# Altium PCB OSP_Carrier_V8.PcbDoc (part 1 of 3) (continued)
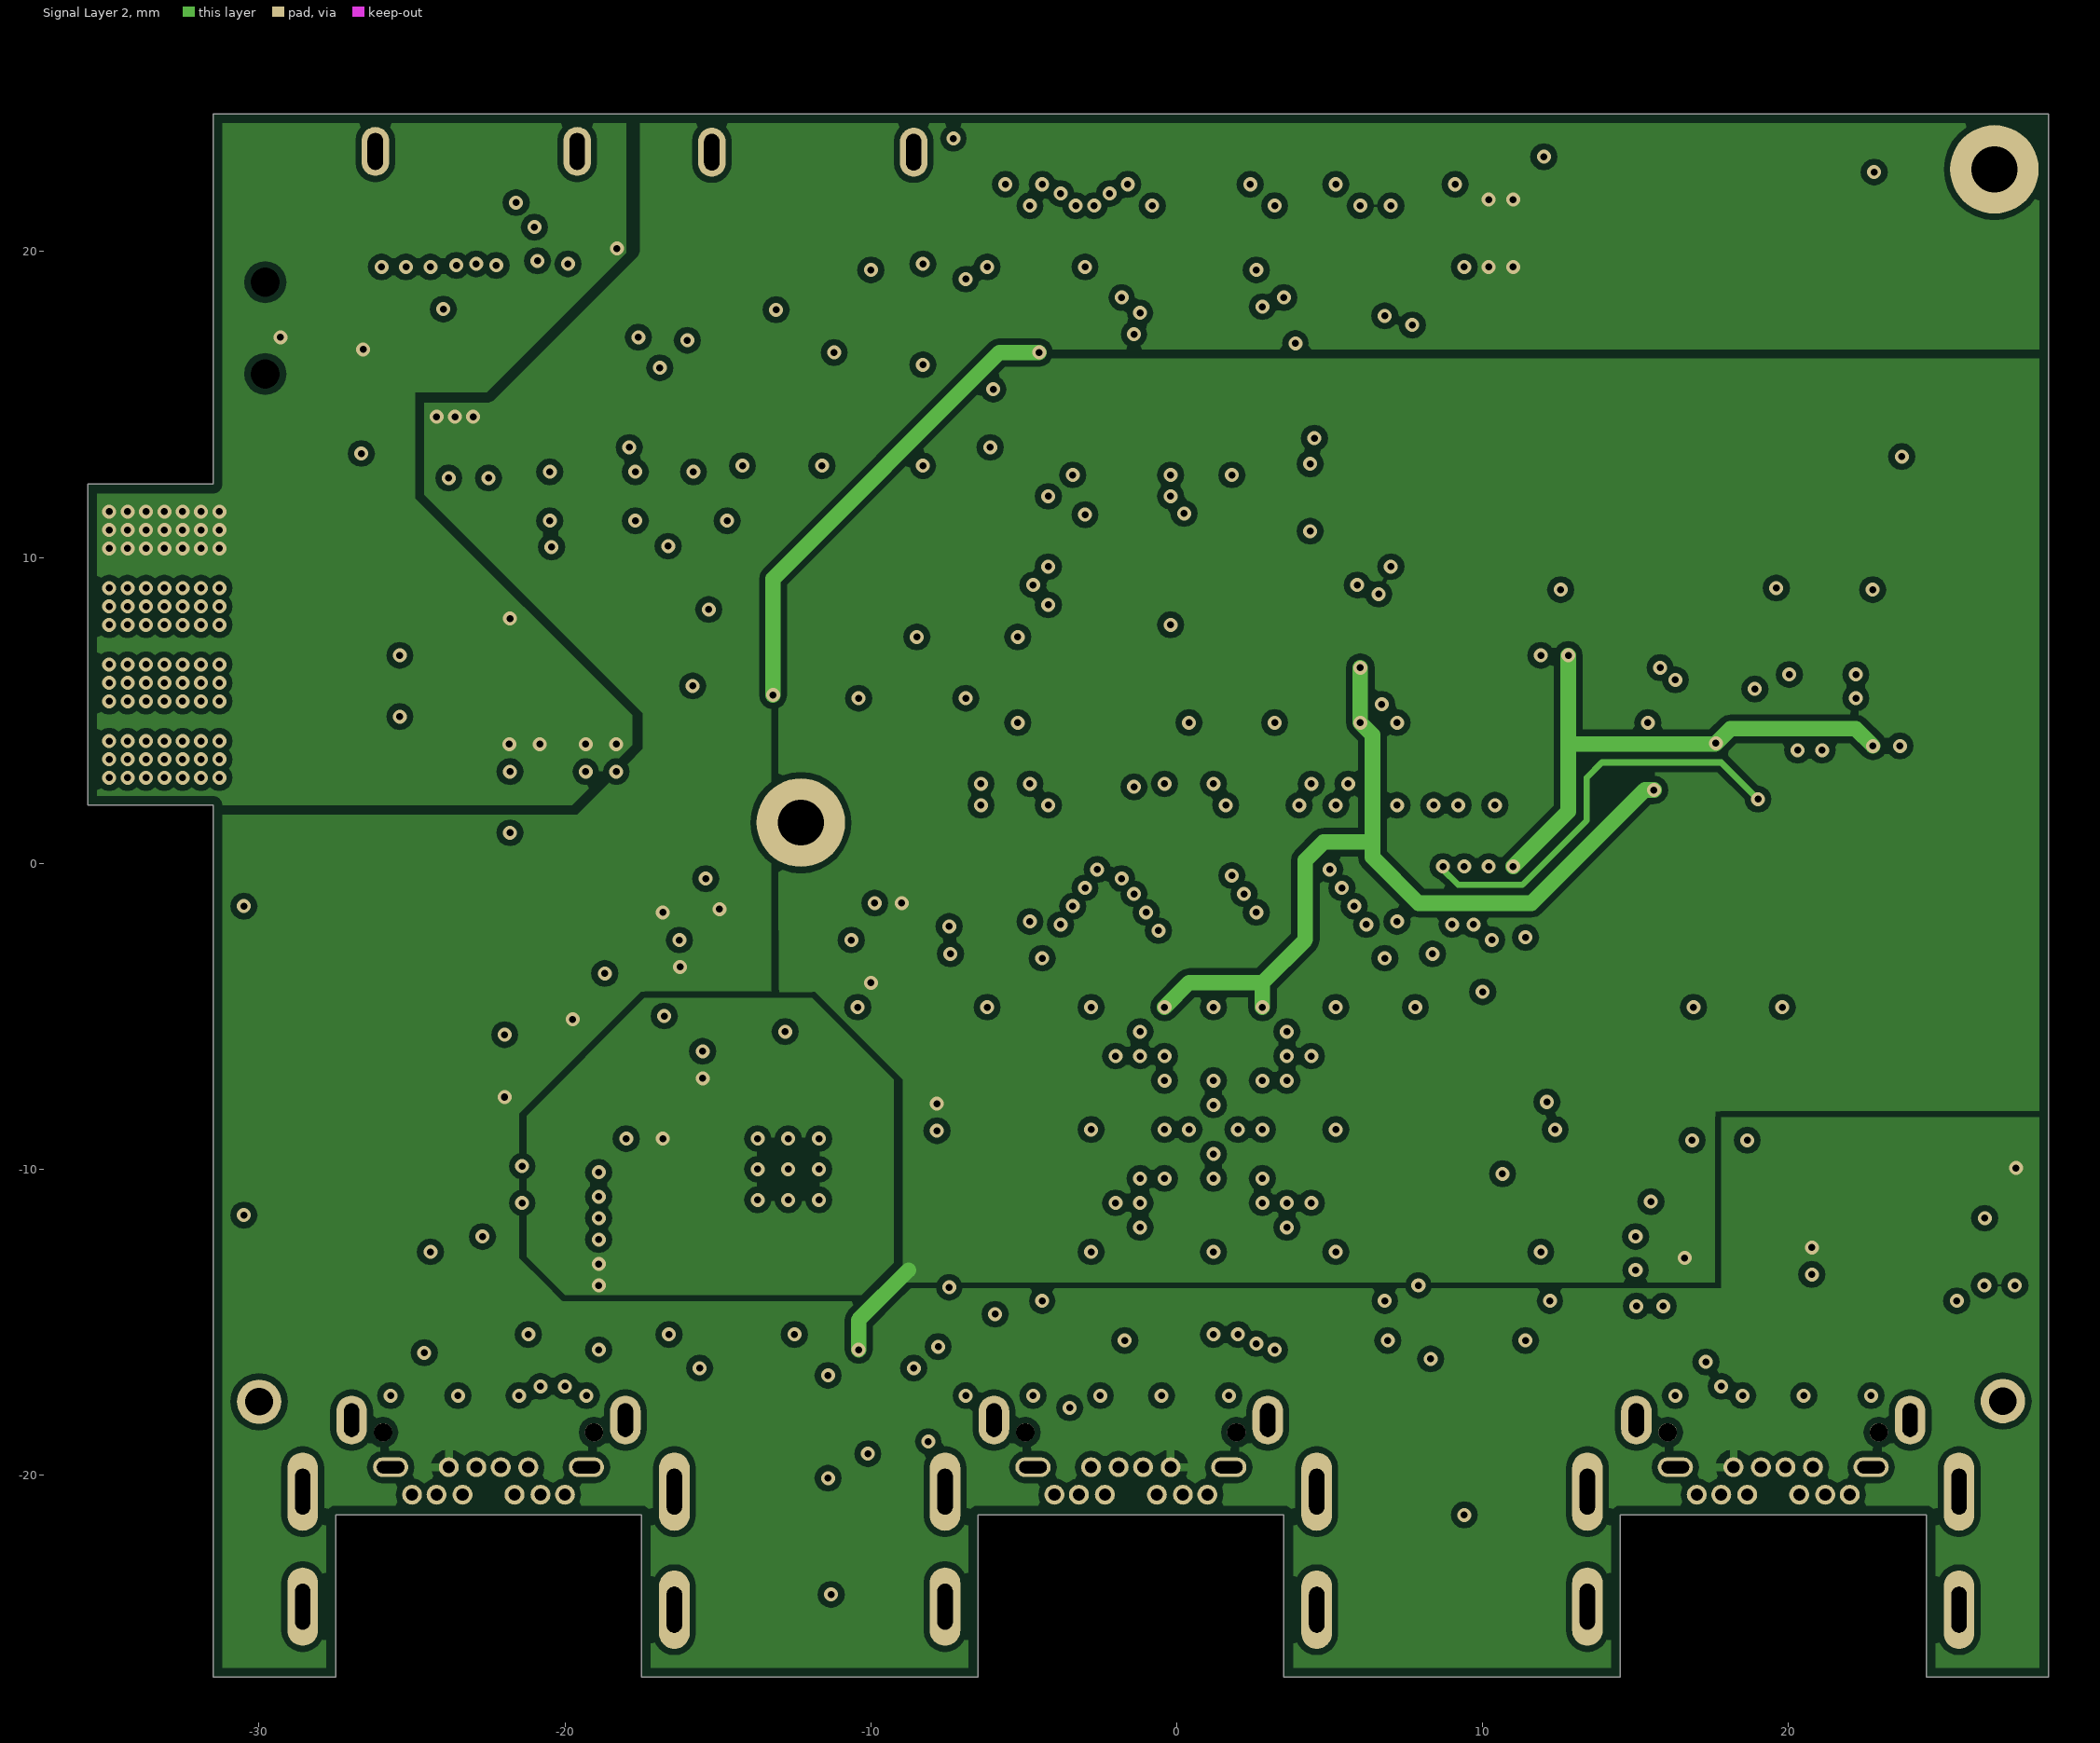
[diagram p3: Signal Layer 2]
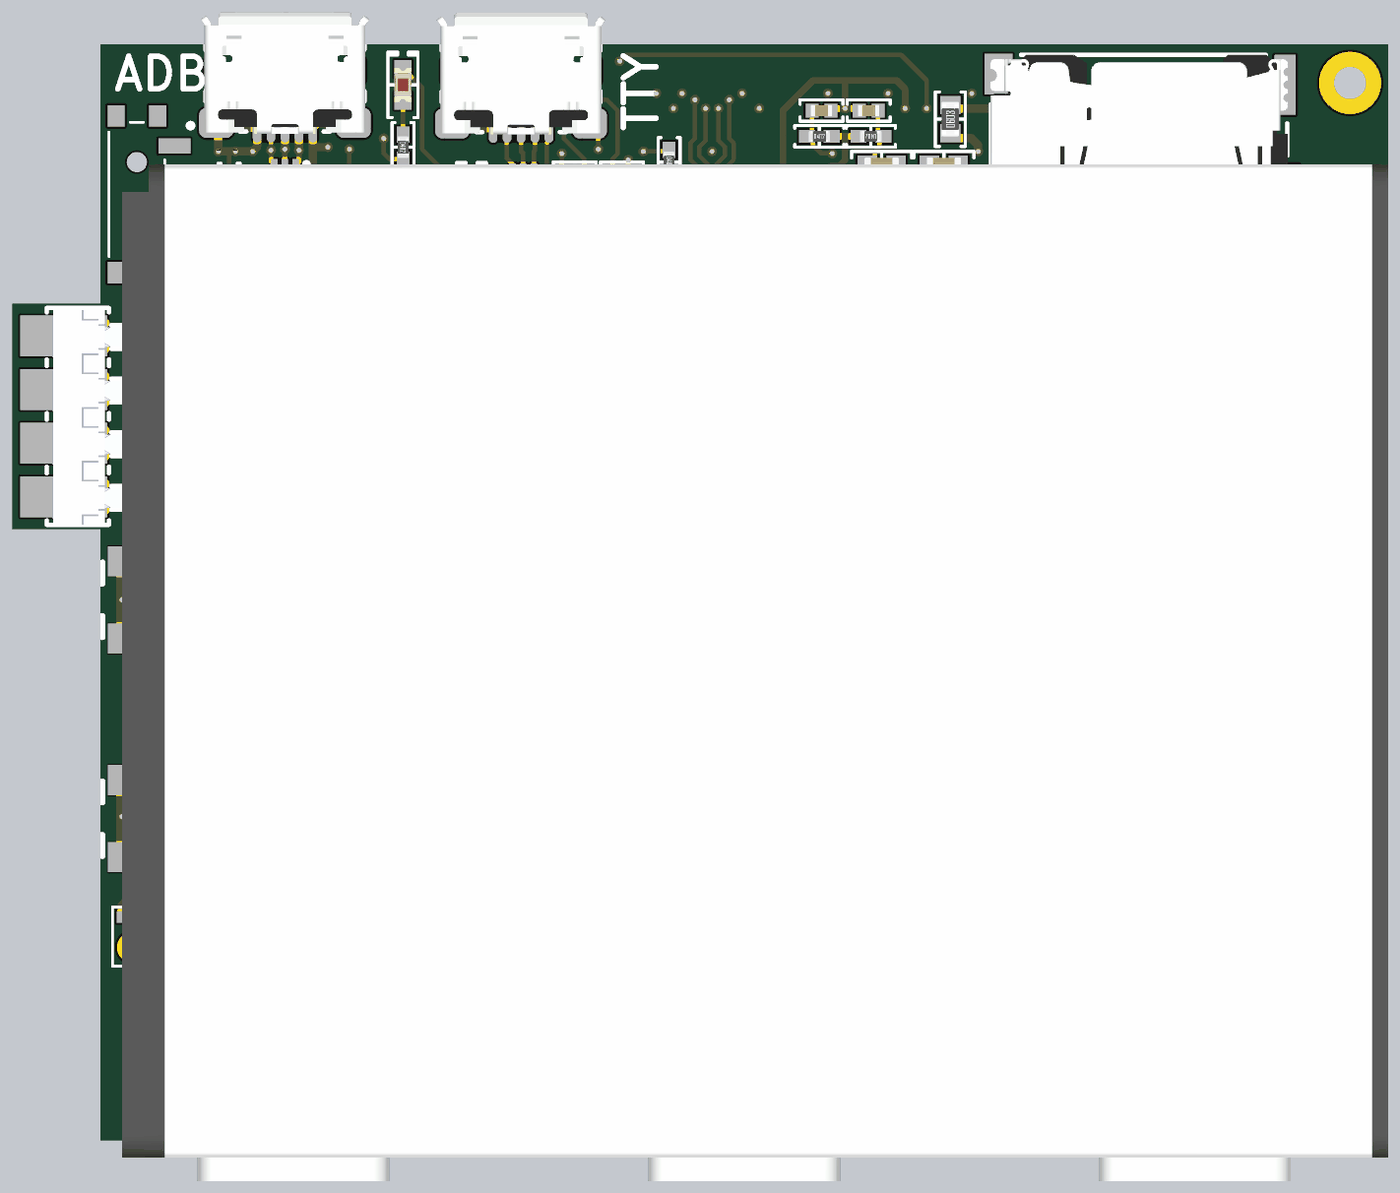
[diagram p6: 3D render of the assembled board from above, using the file's embedded part models]
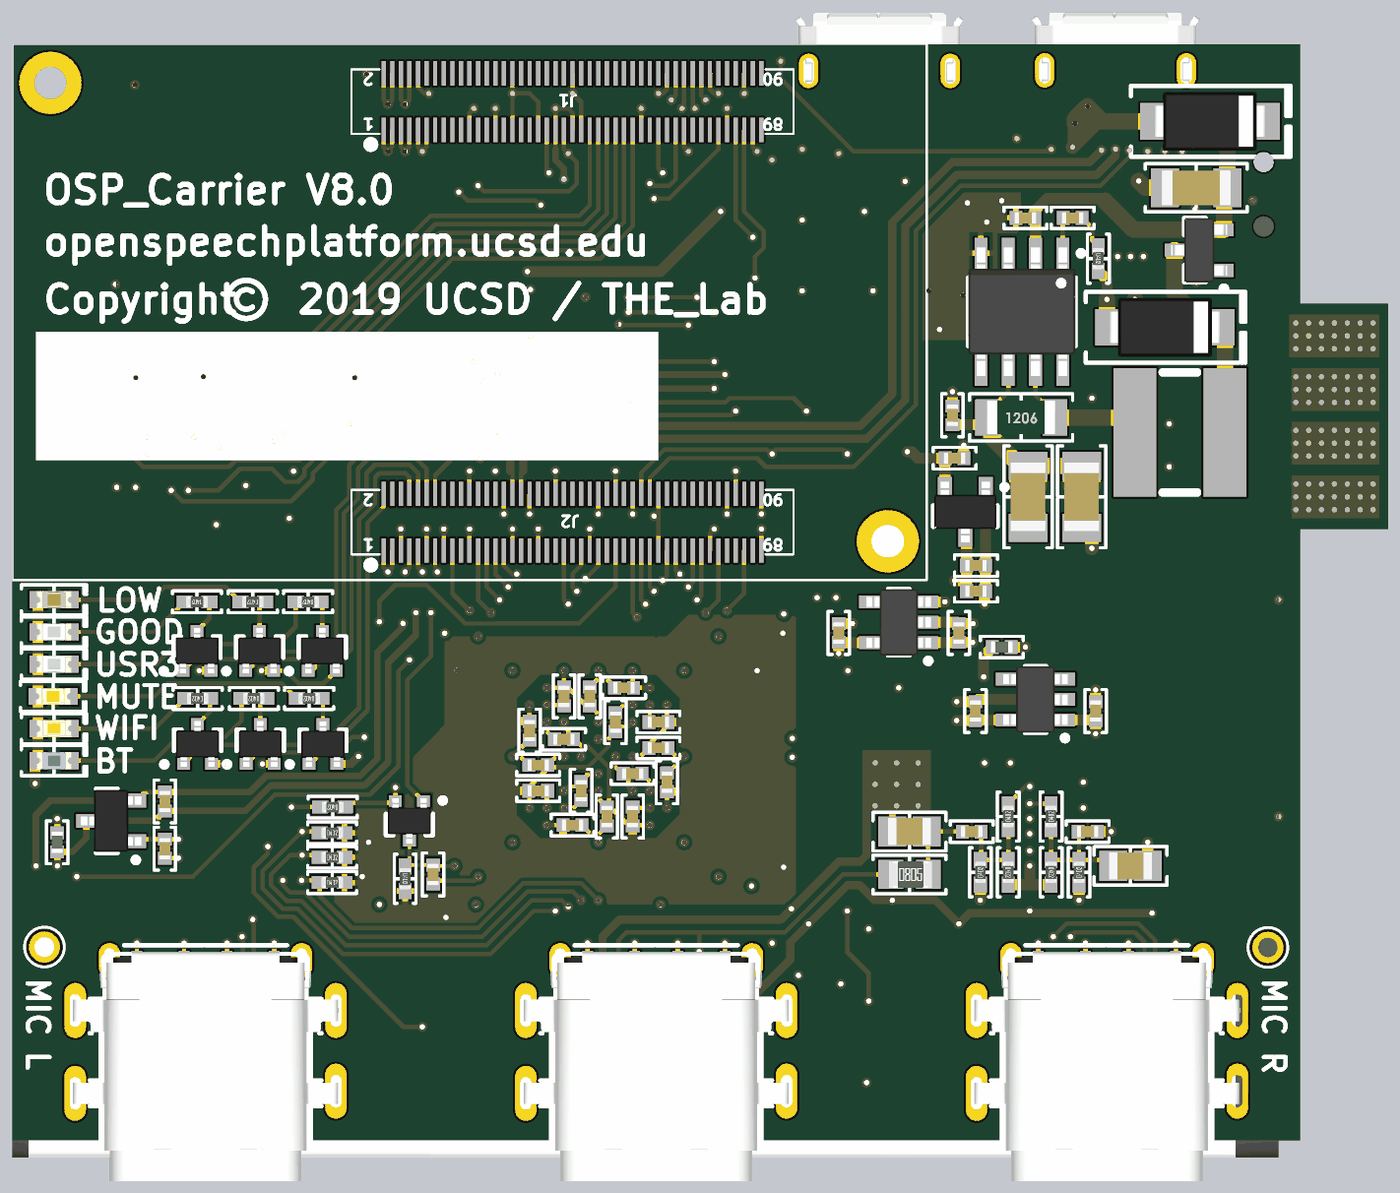
[diagram p7: 3D render of the assembled board from below, using the file's embedded part models]

## Layer stack, top to bottom
Top Solder: solder mask 0.0102, Solder Resist, Dk 3.5
Component Side: signal copper 0.0356
Dielectric 1: prepreg 0.127, FR-4, Dk 4.2
Signal Layer 1: signal copper 0.0508
Dielectric 3: core 1.1532, FR-4, Dk 4.2
Signal Layer 2: signal copper 0.0508
Dielectric 2: prepreg 0.127, FR-4, Dk 4.2
Solder Side: signal copper 0.0356
Bottom Solder: solder mask 0.0102, Solder Resist, Dk 3.5

## Board outline
-31.5,-26.6 -27.5,-26.6 -27.5,-21.3 -17.5,-21.3 -17.5,-26.6 -6.5,-26.6 -6.5,-21.3 3.5,-21.3 3.5,-26.6 14.5,-26.6 14.5,-21.3 24.5,-21.3 24.5,-26.6 28.5,-26.6 28.5,24.5 -31.5,24.5 -31.5,12.4 -35.6,12.4 -35.6,1.9 -31.5,1.9

## Design rules (kind name [scope] priority, off if disabled: settings)
BoardOutlineClearance [OnCopper] p1: gap=0.305 ignorepadtopadclearanceinfootprint=FALSE
Clearance Clearance_Polygon_FPGA [InPolygon And (OnTopLayer Or OnBottomLayer) And (InNet('+3V3_F') Or InNet('+1V8_IO'))] p1: gap=0.152 ignorepadtopadclearanceinfootprint=FALSE
Clearance Clearance_Polygon [InPolygon] p2: gap=0.203 ignorepadtopadclearanceinfootprint=FALSE
Clearance [All] p3: gap=0.114 ignorepadtopadclearanceinfootprint=FALSE
ComponentClearance ComponentClearance_J00 [InComponent('J0')   Or InComponent('J00')] p1: gap=0 collisioncheckmode=3 verticalgap=0 showdistances=FALSE
ComponentClearance [All] p2: gap=0.254 collisioncheckmode=3 verticalgap=0.254 showdistances=FALSE
DiffPairsRouting [All] p1: maxlimit=0.254 minlimit=0.114 mostfreqgap=0.203 toplayer_minwidth=0.152 toplayer_maxwidth=0.381 toplayer_prefwidth=0.203 midlayer1_minwidth=0.152 midlayer1_maxwidth=0.381 midlayer1_prefwidth=0.203 midlayer2_minwidth=0.152 midlayer2_maxwidth=0.381 midlayer2_prefwidth=0.203 bottomlayer_minwidth=0.152 bottomlayer_maxwidth=0.381 bottomlayer_prefwidth=0.203 maxuncoupledlength=12.7
Height [All] p1: minheight=0 maxheight=254 prefheight=12.7
HoleSize [All] p1: absolutevalues=TRUE maxlimit=3.2 minlimit=0.025 maxpercent=80.000 minpercent=20.000
MinimumSolderMaskSliver [All] p1: minsoldermaskwidth=0.076
PolygonConnect PolygonConnect_SOM [InNet('GND') And OnTopLayer] p1: thpad.connectstyle=Relief thpad.reliefconductorwidth=0.203 thpad.reliefentries=4 thpad.polygonreliefangle="90 Angle" thpad.airgapwidth=0.254 smdpad.connectstyle=Relief smdpad.reliefconductorwidth=0.203 smdpad.reliefentries=4 smdpad.polygonreliefangle="90 Angle" smdpad.airgapwidth=0.178 via.connectstyle=Direct via.reliefconductorwidth=0.203 via.reliefentries=4 via.polygonreliefangle="90 Angle" via.airgapwidth=0.254
PolygonConnect PolygonConnect_3V3Thermal [InNet('+3V3') And OnTopLayer] p2: connectstyle=Direct reliefconductorwidth=0.203 reliefentries=4 polygonreliefangle="90 Angle" airgapwidth=0.254
PolygonConnect [All] p3: thpad.connectstyle=Relief thpad.reliefconductorwidth=0.254 thpad.reliefentries=4 thpad.polygonreliefangle="90 Angle" thpad.airgapwidth=0.254 smdpad.connectstyle=Relief smdpad.reliefconductorwidth=0.254 smdpad.reliefentries=4 smdpad.polygonreliefangle="90 Angle" smdpad.airgapwidth=0.254 via.connectstyle=Direct via.reliefconductorwidth=0.254 via.reliefentries=4 via.polygonreliefangle="90 Angle" via.airgapwidth=0.254
RoutingVias [All] p1: holewidth=0.229 width=0.457 viastyle="Through Hole" minholewidth=0.229 minwidth=0.457 maxholewidth=0.711 maxwidth=1.27
SilkToSilkClearance [All] p1: silktosilkclearance=0
SilkToSolderMaskClearance [IsPad] p1: minsilkscreentomaskgap=0 clearancetoexposedcopper=TRUE
SolderMaskExpansion [All] p1: expansion=0.102 istentingtop=FALSE
Width [All] p1: maxlimit=1.27 minlimit=0.152 preferedwidth=0.203
23 further rules are at their usual default settings.

## Classes and differential pairs
component class OSP_Carrier_V8_DJB: C12 C13 C14 C15 C17 C19 C20 C21 C22 C23 C25 J2 J3 J40 Q7 R3 R4 R7 R10 R11 R12 R13 R14 R16 R17 R18 R19 R20 R21 R29 TP1 TP2 TP3 TP4 Y1
component class OSP_Carrier_V8_Misc: C18 C39 J00 J0 LD5 LD6 LD7 LD8 LD9 LD10 Q1 Q2 Q3 Q4 Q5 Q6 R22 R23 R24 R25 R26 R27 R28 R31 R34 R44 SW1 SW2 U4
component class OSP_Carrier_V8_PMIC_Audio: C43 C44 C47 C48 C64 C65 C98 C99 FB4 J5 MK1 MK2 R6 R40 R41 U3
component class OSP_Carrier_V8_Power: A1 BT1 C1 C2 C3 C4 C5 C6 C7 C8 C9 C10 C11 C46 C49 C50 C51 C52 C53 C54 C55 C60 C61 C62 D2 D3 FB1 J26 L1 LD1 Q8 R1 R8 R9 SW3 U1 U5 U6 U7
component class OSP_Carrier_V8_SD: C56 C57 C58 C59 D18 D19 J19 R32 R47
component class OSP_Carrier_V8_USB: C70 C71 C72 C73 C74 C75 D1 D23 FB3 J4 J22 LD11 R30 R35 R49 R54 R55 U13 U14
component class OSP_Carrier_V8_FM-ExG: C16 C24 C26 C27 C28 C29 C30 C31 C32 C33 C34 C35 C36 C37 C38 C40 C41 C42 C45 C63 C107 FB2 J1 R15 R33 R36 R37 R38 R39 R42 R78 TP5 U2 U8 Y2
differential pair R_PRE: +R_PRE_P -R_PRE_N
differential pair R_LVDS: +R_LVDS_P -R_LVDS_N
differential pair L_PRE: +L_PRE_P -L_PRE_N
differential pair L_LVDS: +L_LVDS_P -L_LVDS_N
differential pair USB_D: +USB_D_P -USB_D_N
differential pair USB_U: +USB_U_P -USB_U_N
differential pair USB_UX: +USB_UX_P -USB_UX_N

## Components (designator, comment, footprint, x,y, rotation, side; value= is the part's Value field where it differs from the comment)
A1 "DART-SD410" DART-SD410 -14.1,24.52 r0 bottom locked
BT1 "BP2000 / AVX 9155-004-201-006" SAMSUNG_BP2000 -30.5,18.9 r0 top locked
C1 "4.7uF" "CAP 0402/1005" -9.434,-1.9 r0 top
C2 "1uF" "CAP 0402/1005" -9.434,-3.1 r180 top
C3 "0.1uF" "CAP 0402/1005" -9.434,-4.7 r0 top
C4 "0.1uF" "CAP 0402/1005" -6.6,-2.5 r270 top
C5 "0.1uF" "CAP 0402/1005" 7.2,-16.6 r0 top
C6 "0.1uF" "CAP 0402/1005" 2.8,-7.9 r180 bottom
C7 "0.1uF" "CAP 0402/1005" -0.4,-9.5 r0 bottom
C8 "0.01uF" "CAP 0402/1005" 9.1,-3.4 r270 top
C9 "0.01uF" "CAP 0402/1005" -6.7,-14.3 r90 top
C10 "0.01uF" "CAP 0402/1005" 0.4,-7.1 r270 bottom
C11 "0.01uF" "CAP 0402/1005" 2,-10.3 r90 bottom
C12 "0.1uF" "CAP 0402/1005" 1.6,-5.9 r270 bottom
C13 "0.1uF" "CAP 0402/1005" 0.8,-11.5 r90 bottom
C14 "0.1uF" "CAP 0402/1005" 8.9,-14.2 r270 bottom
C15 "0.1uF" "CAP 0402/1005" 4,-10.3 r0 bottom
C16 "0.1uF" "CAP 0402/1005" -1.6,-8.3 r0 bottom
C17 "0.1uF" "CAP 0402/1005" 11.9,-11.5 r270 top
C18 "0.1uF" "CAP 0402/1005" 3.7,13.5 r270 top
C19 "0.1uF" "CAP 0402/1005" 4.4,-7.5 r90 bottom
C20 "0.1uF" "CAP 0402/1005" 4,-9.1 r180 bottom
C21 "0.01uF" "CAP 0402/1005" 0,-5.5 r0 bottom
C22 "0.01uF" "CAP 0402/1005" -0.4,-11.5 r90 bottom
C23 "0.01uF" "CAP 0402/1005" 2.8,-5.9 r270 bottom
C24 "1uF" "CAP 0402/1005" -21.972,-6.585 r90 bottom
C25 "0.01uF" "CAP 0402/1005" 2.4,-11.9 r180 bottom
C26 "0.01uF" "CAP 0402/1005" -1.6,-7.1 r0 bottom
C27 "1uF" "CAP 0402/1005" -16.372,-6.585 r90 bottom
C28 "0.01uF" "CAP 0402/1005" -2,-9.9 r90 bottom
C29 "0.33uF" "CAP 0402/1005" -16.2,-12.2 r180 bottom
C30 "15pF" "CAP 0402/1005" -20.2,-9.9 r0 top
C31 "10uF" "CAP 0805/2012" -13.9,-4.2 r180 top
C32 "0.1uF" "CAP 0402/1005" -13.9,-5.8 r0 top
C33 "0.1uF" "CAP 0402/1005" -18,-5.7 r90 top
C34 "10uF" "CAP 0805/2012" -19.6,-7.5 r90 top
C35 "0.1uF" "CAP 0402/1005" -16.8,-7.6 r270 top
C36 "0.1uF" "CAP 0402/1005" -18,-7.9 r270 top
C37 "10uF" "CAP 0805/2012" -23.6,-13.8 r0 bottom
C38 "0.1uF" "CAP 0402/1005" -21.6,-12.2 r180 bottom
C39 "0.1uF" "CAP 0402/1005" 3.7,11.3 r270 top
C40 "15pF" "CAP 0402/1005" -20.2,-11.1 r0 top
C41 "10uF" "CAP 0805/2012" -17.3,-12.7 r270 top
C42 "1uF" "CAP 0402/1005" -8.5,-8.3 r270 top
C43 "1uF" "CAP 0402/1005" 21.4,-13 r270 bottom
C44 "1uF" "CAP 0402/1005" 21.4,-10.8 r270 bottom
C45 "0.1uF" "CAP 0402/1005" -10.1,-18.1 r90 top
C46 "10uF" "CAP 1206/3216" -26.66,17.8 r0 bottom
C47 "33pF" "CAP 0402/1005" 2.1,21.4 r180 top
C48 "33pF" "CAP 0402/1005" 4.3,21.4 r0 top
C49 "0.47uF" "CAP 0402/1005" -20.9,16.4 r180 bottom
C50 "1uF" "CAP 0402/1005" -15.3,7.2 r90 bottom
C51 "10uF" "CAP 1206/3216" -18.822,3.4 r270 bottom
C52 "10uF" "CAP 1206/3216" -21.322,3.4 r270 bottom
C53 "0.1uF" "CAP 0402/1005" -18.7,16.4 r0 bottom
C54 "1uF" "CAP 0402/1005" -15.6,-2.946 r90 bottom
C55 "1uF" "CAP 0402/1005" -10,-2.946 r90 bottom
C56 "0.1uF" "CAP 0402/1005" 17.9,6.1 r180 top
C57 "47pF" "CAP 0402/1005" 23.2,4.6 r180 top
C58 "1uF" "CAP 0603/1608" 18.3,4.7 r180 top
C59 "0.1uF" "CAP 0402/1005" 12.2,6.1 r0 top
C60 "4.7uF" "CAP 0402/1005" -16.4,-1 r180 bottom
C61 "0.1uF" "CAP 0402/1005" -16.4,0.194 r180 bottom
C62 "1uF" "CAP 0402/1005" -15.4,5.2 r180 bottom
C63 "1uF" "CAP 0402/1005" -17.3,-9.6 r180 top
C64 "0.1uF" "CAP 0402/1005" 27,-14.6 r0 top
C65 "0.1uF" "CAP 0402/1005" -27.6,-16 r270 top
C70 "1uF" "CAP 0603/1608" -8.9,12.1 r180 top
C71 "4.7uF" "CAP 0402/1005" -12.3,13.3 r90 top
C72 "0.1uF" "CAP 0402/1005" -11,13.3 r90 top
C73 "0.1uF" "CAP 0402/1005" -11,15.5 r270 top
C74 "47pF" "CAP 0402/1005" -9.4,18.5 r0 top
C75 "47pF" "CAP 0402/1005" -7.2,18.5 r180 top
C98 "1uF" "CAP 0603/1608" 4.9,18.8 r0 top
C99 "1uF" "CAP 0603/1608" 7.8,18.8 r0 top
C107 "1000pF" "CAP 0805/2012" -13.3,-12.2 r180 bottom
D1 "TPD4S012" TI_SON6 -22.9,18.5 r180 top
D2 "B330" "DO214AC SMA" -27.3,20.9 r180 bottom
D3 "B330" "DO214AC SMA" -25.2,11.3 r180 bottom
D18 "TPD4E001" TI_SOT-563_DRL 21,5.4 r270 top
D19 "TPD4E001" TI_SOT-563_DRL 14.4,5.4 r90 top
D23 "TPD4S012" TI_SON6 -11.8,18.3 r180 top
FB1 "220 Ohm @ 100MHz" "FER 0402/1005" -7.2,-4.7 r0 top
FB2 "220 Ohm @ 100MHz" "FER 0402/1005" -17.6,-3.6 r0 bottom
FB3 "220 Ohm @ 100MHz" "FER 0603/1608" -12.5,15.9 r90 top
FB4 "220 Ohm @ 100MHz" "FER 0402/1005" 26.412,-12.7 r90 bottom
J0 "DF40C-90DS-0.4V(51)" Hirose_DF40C-90DS-0.4V(51) 2.4,21.82 r0 top
J00 "DF40C-90DS-0.4V(51)" Hirose_DF40C-90DS-0.4V(51) 2.4,2.22 r0 top
J1 "USB-C" TE_USB-C_2129691-1 -1.5,-23.1 r0 bottom
J2 "USB-C" TE_USB-C_2129691-1 19.5,-23.1 r0 bottom
J3 "USB-C" TE_USB-C_2129691-1 -22.5,-23.1 r0 bottom
J4 "Micro USB" "FCI USB 10118193-0001LF" -22.9,23.225 r0 top
J5 "FFC" HIROSE_FH58M-7S-0.25SHW-99 2.1,16.5 r90 top
J19 "DM3AT-SF-PEJM5" "HIROSE DM3AT-SF-PEJM5" 17.3,15.825 r180 top
J22 "Micro USB" "FCI USB 10118193-0001LF" -11.9,23.2 r0 top
J26 "Shallow" AMPHENOL_10125839-04RAEHLF_DNP -23.6,7.7 r180 top
J40 "FFC" AMPHENOL_HFW6R-1STE1LF 15.6,-11.8 r90 top
L1 "6.8uH" LAIRD_TYS6028 -25.9,6.4 r180 bottom
LD1 "Red" "LED 0603/1608 RED" -17.4,22.6 r90 top value=Green
LD5 "Red" "LED 0603/1608 RED" 26.56,-1.4 r180 bottom value=Green
LD6 "Green" "LED 0603/1608 GREEN" 26.56,-2.897 r180 bottom
LD7 "Green" "LED 0603/1608 GREEN" 26.56,-4.397 r180 bottom
LD8 "Yellow" "LED 0603/1608 YELLOW" 26.6,-5.9 r180 bottom value=Green
LD9 "Yellow" "LED 0603/1608 YELLOW" 26.56,-7.4 r180 bottom value=Green
LD10 "Blue" "LED 0603/1608 BLUE" 26.56,-8.9 r180 bottom value=Green
LD11 "Green" "LED 0603/1608 GREEN" -14.2,17.45 r90 top
MK1 "MM023802-1" MEMS_MIC 27,-17.1 r0 top
MK2 "MM023802-1" MEMS_MIC -30.007,-17.12 r0 top
Q1 "NX3020NAKW,115" "NXP SOT-323-3" 16.98,-3.775 r90 bottom
Q2 "NX3020NAKW,115" "NXP SOT-323-3" 19.9,-3.775 r90 bottom
Q3 "NX3020NAKW,115" "NXP SOT-323-3" 14.061,-3.775 r90 bottom
Q4 "NX3020NAKW,115" "NXP SOT-323-3" 14.032,-8.121 r90 bottom
Q5 "NX3020NAKW,115" "NXP SOT-323-3" 19.871,-8.117 r90 bottom
Q6 "NX3020NAKW,115" "NXP SOT-323-3" 16.951,-8.117 r90 bottom
Q7 "NX3020NAKW,115" "NXP SOT-323-3" 10,-11.7 r270 bottom
Q8 "PMV30XPEAR" NXP_SOT23 -26.8,14.9 r0 bottom
R1 "2k" "RES 0402/1005" -17.4,19.7 r270 top
R3 "4.7k" "RES 0402/1005" 10.2,-14.4 r270 bottom
R4 "10k" "RES 0402/1005" 13.6,-13.4 r180 bottom
R6 "0.0" "RES 0603/1608" 8.1,21 r90 top
R7 "10k" "RES 0402/1005" 13.6,-12.26 r180 bottom
R8 "0.2" "STACKPOLE CSR1206" -18.5,7.1 r180 bottom
R9 "2.2k" "RES 0402/1005" -22.1,14.5 r270 bottom
R10 "10k" "RES 0402/1005" 13.6,-14.575 r180 bottom
R11 "10k" "RES 0402/1005" 13.575,-11.06 r0 bottom
R12 "2k" "RES 0402/1005" 10.8,-21.3 r180 top
R13 "100" "RES 0402/1005" 9.5,-20 r0 top
R14 "115" "RES 0402/1005" 11.4,-19.4 r270 top
R15 "0.0" "RES 0603/1608" -15.2,-14.9 r270 top
R16 "100" "RES 0402/1005" 9.5,-18.8 r0 top
R17 "2k" "RES 0402/1005" 11.4,-16.9 r270 top
R18 "2k" "RES 0402/1005" -12.7,-20.1 r0 top
R19 "100" "RES 0402/1005" -11.4,-21.4 r180 top
R20 "115" "RES 0402/1005" -13.3,-22 r90 top
R21 "100" "RES 0402/1005" -11.4,-22.6 r180 top
R22 "200" "RES 0402/1005" 17.3,-1.492 r0 bottom
R23 "200" "RES 0402/1005" 19.9,-1.492 r0 bottom
R24 "200" "RES 0402/1005" 14.724,-1.492 r0 bottom
R25 "200" "RES 0402/1005" 14.675,-6 r0 bottom
R26 "200" "RES 0402/1005" 19.871,-6 r0 bottom
R27 "200" "RES 0402/1005" 17.25,-6 r0 bottom